# KiCad board panel2.kicad_pcb (continued)
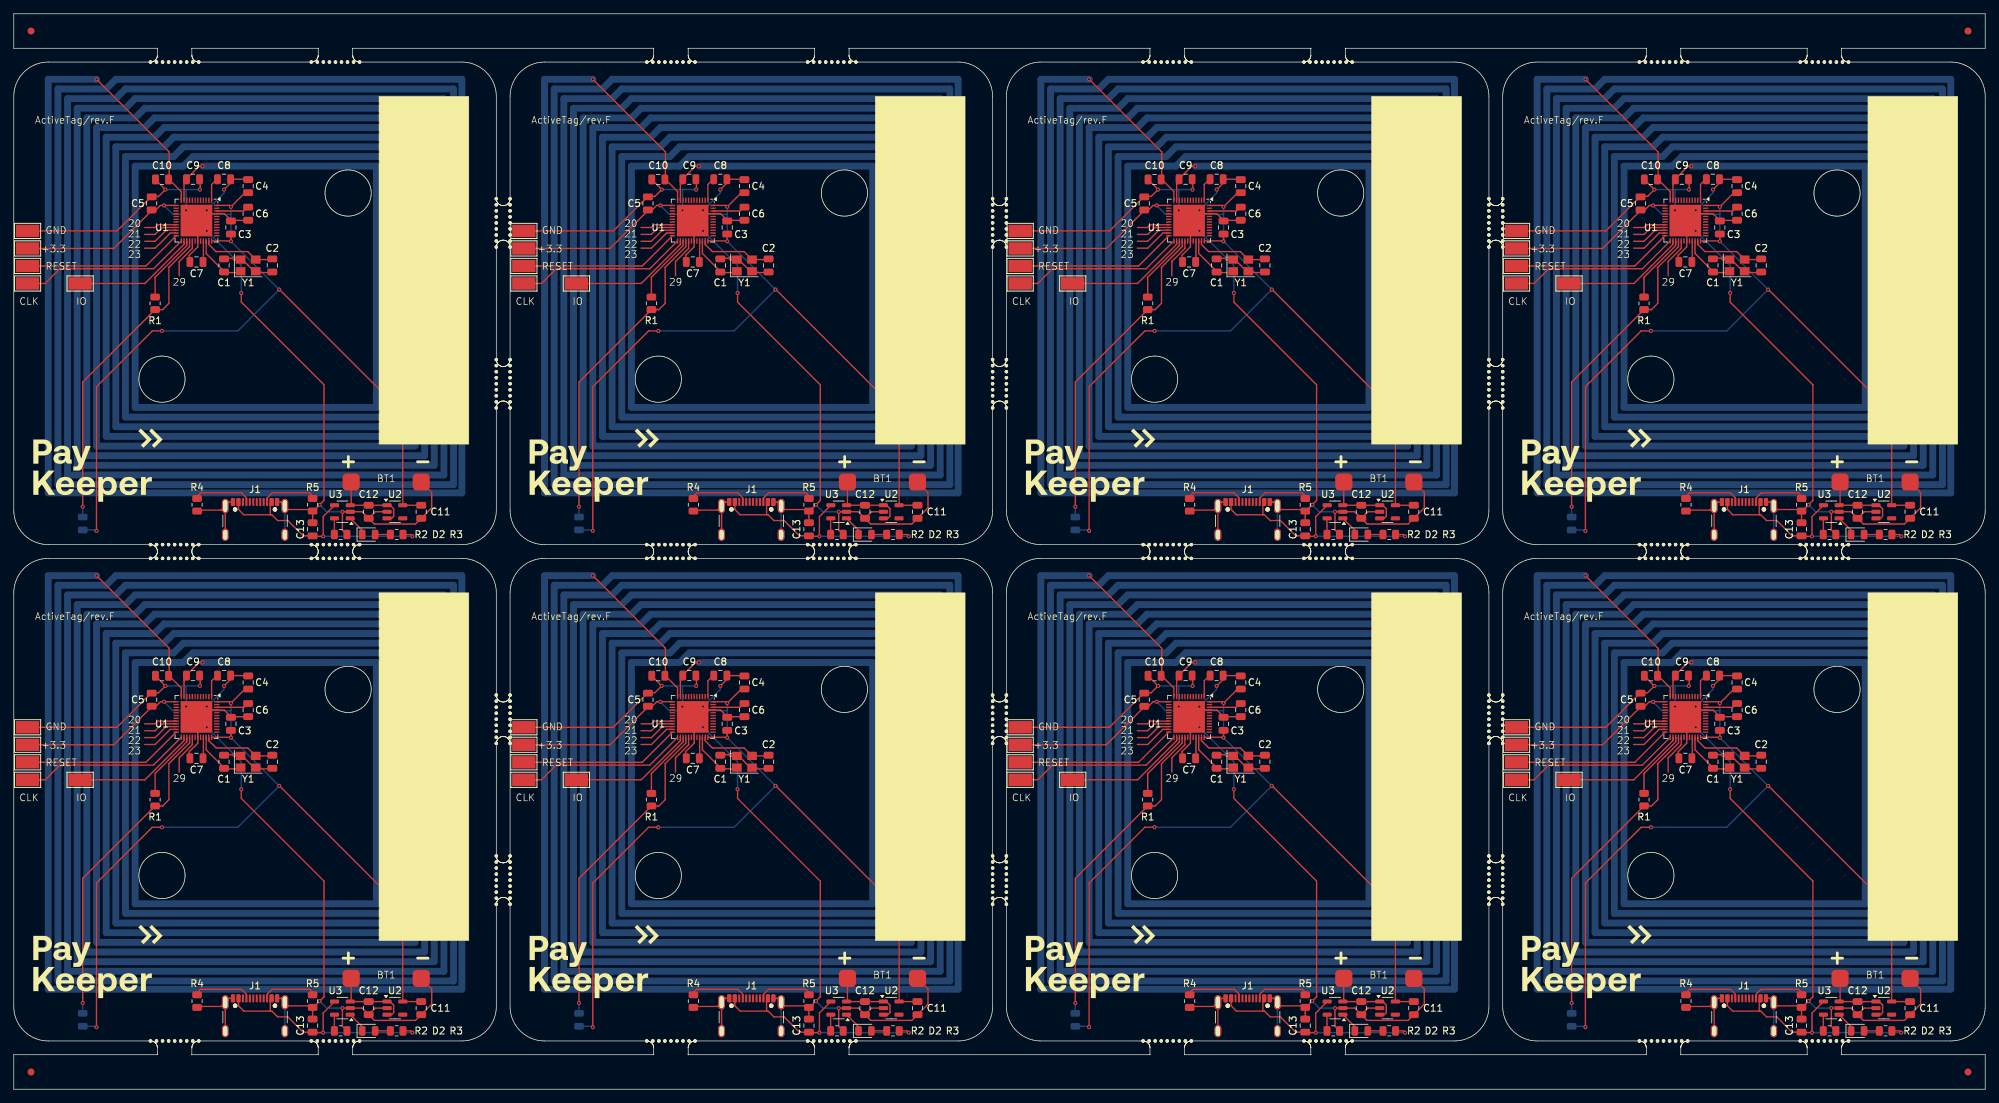
[diagram p0: board, top side]
## Nets (continued)
Board_3-unconnected-(U1-P0.08-Pad10): U1#2.10
Board_3-unconnected-(U1-P0.11-Pad14): U1#2.14
Board_3-unconnected-(U1-P0.12-Pad15): U1#2.15
Board_3-unconnected-(U1-P0.13-Pad16): U1#2.16
Board_3-unconnected-(U1-P0.14-Pad17): U1#2.17
Board_3-unconnected-(U1-P0.15-Pad18): U1#2.18
Board_3-unconnected-(U1-P0.16-Pad19): U1#2.19
Board_3-unconnected-(U1-P0.17-Pad20): U1#2.20
Board_3-unconnected-(U1-P0.18/SWO-Pad21): U1#2.21
Board_3-unconnected-(U1-P0.19-Pad22): U1#2.22
Board_3-unconnected-(U1-P0.20-Pad23): U1#2.23
Board_3-unconnected-(U1-P0.24-Pad29): U1#2.29
Board_3-unconnected-(U1-P0.25-Pad37): U1#2.37
Board_3-unconnected-(U1-P0.26-Pad38): U1#2.38
Board_3-unconnected-(U1-P0.27-Pad39): U1#2.39
Board_3-unconnected-(U1-P0.28/AIN4-Pad40): U1#2.40
Board_3-unconnected-(U1-P0.29/AIN5-Pad41): U1#2.41
Board_3-unconnected-(U1-P0.30/AIN6-Pad42): U1#2.42
Board_3-unconnected-(U1-P0.31/AIN7-Pad43): U1#2.43
Board_3-unconnected-(U2-NC-Pad4): U2#2.4
Board_4-+3.3V: C3#8.1 C4#8.1 C5#7.1 C11#4.1 D1#6.2 TP5#3.1 U1#3.13 U1#3.36 U1#3.48 U2#8.5
Board_4-GND: BT1#6.2 C1#6.2 C2#2.2 C3#8.2 C4#8.2 C5#7.2 C6#3.2 C7#8.2 C8.2 C9#5.1 C10#6.2 C11#4.2 C12#7.2 C13.2 J1#8.A1 J1#8.A12 J1#8.B1 J1#8.B12 J1#8.S1 R2#4.2 R4#5.1 R5#5.2 TP4#8.1 U1#3.31 U1#3.45 U1#3.49 U2#8.2 U3#7.2 Y1#4.2 Y1#4.4
Board_4-Net-(BT1-+): BT1#6.1 C12#7.1 U2#8.1 U2#8.3 U3#7.3
Board_4-Net-(D1-K): D1#6.1 R1#4.2 U1#3.28
Board_4-Net-(D2-A): D2#7.2 R3#6.2
Board_4-Net-(D2-K): D2#7.1 U3#7.1
Board_4-Net-(J1-CC1): J1#8.A5 R4#5.2
Board_4-Net-(J1-CC2): J1#8.B5 R5#5.1
Board_4-Net-(U1-DEC1): C8.1 U1#3.1
Board_4-Net-(U1-DEC3): C7#8.1 U1#3.33
Board_4-Net-(U1-DEC4): C6#3.1 U1#3.46
Board_4-Net-(U1-NFC1/P0.09): C9#5.2 C10#6.1 U1#3.11 U1#3.12
Board_4-Net-(U1-P0.21/~{RESET}): TP3#4.1 U1#3.24
Board_4-Net-(U1-P0.22): R1#4.1 U1#3.27
Board_4-Net-(U1-SWDCLK): TP2#3.1 U1#3.25
Board_4-Net-(U1-SWDIO): TP1#6.1 U1#3.26
Board_4-Net-(U1-XC1): C1#6.1 U1#3.34 Y1#4.1
Board_4-Net-(U1-XC2): C2#2.1 U1#3.35 Y1#4.3
Board_4-Net-(U3-PROG): R2#4.1 U3#7.5
Board_4-Net-(U3-V_{CC}): C13.1 J1#8.A4 J1#8.A9 J1#8.B4 J1#8.B9 R3#6.1 U3#7.4
Board_4-unconnected-(J1-D+-PadA6): J1#8.A6
Board_4-unconnected-(J1-D+-PadB6): J1#8.B6
Board_4-unconnected-(J1-D--PadA7): J1#8.A7
Board_4-unconnected-(J1-D--PadB7): J1#8.B7
Board_4-unconnected-(J1-SBU1-PadA8): J1#8.A8
Board_4-unconnected-(J1-SBU2-PadB8): J1#8.B8
Board_4-unconnected-(U1-ANT-Pad30): U1#3.30
Board_4-unconnected-(U1-DCC-Pad47): U1#3.47
Board_4-unconnected-(U1-DEC2-Pad32): U1#3.32
Board_4-unconnected-(U1-NC-Pad44): U1#3.44
Board_4-unconnected-(U1-P0.00/XL1-Pad2): U1#3.2
Board_4-unconnected-(U1-P0.01/XL2-Pad3): U1#3.3
Board_4-unconnected-(U1-P0.02/AIN0-Pad4): U1#3.4
Board_4-unconnected-(U1-P0.03/AIN1-Pad5): U1#3.5
Board_4-unconnected-(U1-P0.04/AIN2-Pad6): U1#3.6
Board_4-unconnected-(U1-P0.05/AIN3-Pad7): U1#3.7
Board_4-unconnected-(U1-P0.06-Pad8): U1#3.8
Board_4-unconnected-(U1-P0.07-Pad9): U1#3.9
Board_4-unconnected-(U1-P0.08-Pad10): U1#3.10
Board_4-unconnected-(U1-P0.11-Pad14): U1#3.14
Board_4-unconnected-(U1-P0.12-Pad15): U1#3.15
Board_4-unconnected-(U1-P0.13-Pad16): U1#3.16
Board_4-unconnected-(U1-P0.14-Pad17): U1#3.17
Board_4-unconnected-(U1-P0.15-Pad18): U1#3.18
Board_4-unconnected-(U1-P0.16-Pad19): U1#3.19
Board_4-unconnected-(U1-P0.17-Pad20): U1#3.20
Board_4-unconnected-(U1-P0.18/SWO-Pad21): U1#3.21
Board_4-unconnected-(U1-P0.19-Pad22): U1#3.22
Board_4-unconnected-(U1-P0.20-Pad23): U1#3.23
Board_4-unconnected-(U1-P0.24-Pad29): U1#3.29
Board_4-unconnected-(U1-P0.25-Pad37): U1#3.37
Board_4-unconnected-(U1-P0.26-Pad38): U1#3.38
Board_4-unconnected-(U1-P0.27-Pad39): U1#3.39
Board_4-unconnected-(U1-P0.28/AIN4-Pad40): U1#3.40
Board_4-unconnected-(U1-P0.29/AIN5-Pad41): U1#3.41
Board_4-unconnected-(U1-P0.30/AIN6-Pad42): U1#3.42
Board_4-unconnected-(U1-P0.31/AIN7-Pad43): U1#3.43
Board_4-unconnected-(U2-NC-Pad4): U2#8.4
Board_5-+3.3V: C3#3.1 C4#3.1 C5#5.1 C11.1 D1#2.2 TP5#4.1 U1#5.13 U1#5.36 U1#5.48 U2#3.5
Board_5-GND: BT1#7.2 C1#5.2 C2#7.2 C3#3.2 C4#3.2 C5#5.2 C6.2 C7#7.2 C8#3.2 C9#2.1 C10#4.2 C11.2 C12#3.2 C13#2.2 J1#5.A1 J1#5.A12 J1#5.B1 J1#5.B12 J1#5.S1 R2#7.2 R4#8.1 R5#3.2 TP4#2.1 U1#5.31 U1#5.45 U1#5.49 U2#3.2 U3#4.2 Y1#8.2 Y1#8.4
Board_5-Net-(BT1-+): BT1#7.1 C12#3.1 U2#3.1 U2#3.3 U3#4.3
Board_5-Net-(D1-K): D1#2.1 R1.2 U1#5.28
Board_5-Net-(D2-A): D2#3.2 R3#5.2
Board_5-Net-(D2-K): D2#3.1 U3#4.1
Board_5-Net-(J1-CC1): J1#5.A5 R4#8.2
Board_5-Net-(J1-CC2): J1#5.B5 R5#3.1
Board_5-Net-(U1-DEC1): C8#3.1 U1#5.1
Board_5-Net-(U1-DEC3): C7#7.1 U1#5.33
Board_5-Net-(U1-DEC4): C6.1 U1#5.46
Board_5-Net-(U1-NFC1/P0.09): C9#2.2 C10#4.1 U1#5.11 U1#5.12
Board_5-Net-(U1-P0.21/~{RESET}): TP3.1 U1#5.24
Board_5-Net-(U1-P0.22): R1.1 U1#5.27
Board_5-Net-(U1-SWDCLK): TP2#5.1 U1#5.25
Board_5-Net-(U1-SWDIO): TP1#2.1 U1#5.26
Board_5-Net-(U1-XC1): C1#5.1 U1#5.34 Y1#8.1
Board_5-Net-(U1-XC2): C2#7.1 U1#5.35 Y1#8.3
Board_5-Net-(U3-PROG): R2#7.1 U3#4.5
Board_5-Net-(U3-V_{CC}): C13#2.1 J1#5.A4 J1#5.A9 J1#5.B4 J1#5.B9 R3#5.1 U3#4.4
Board_5-unconnected-(J1-D+-PadA6): J1#5.A6
Board_5-unconnected-(J1-D+-PadB6): J1#5.B6
Board_5-unconnected-(J1-D--PadA7): J1#5.A7
Board_5-unconnected-(J1-D--PadB7): J1#5.B7
Board_5-unconnected-(J1-SBU1-PadA8): J1#5.A8
Board_5-unconnected-(J1-SBU2-PadB8): J1#5.B8
Board_5-unconnected-(U1-ANT-Pad30): U1#5.30
Board_5-unconnected-(U1-DCC-Pad47): U1#5.47
Board_5-unconnected-(U1-DEC2-Pad32): U1#5.32
Board_5-unconnected-(U1-NC-Pad44): U1#5.44
Board_5-unconnected-(U1-P0.00/XL1-Pad2): U1#5.2
Board_5-unconnected-(U1-P0.01/XL2-Pad3): U1#5.3
Board_5-unconnected-(U1-P0.02/AIN0-Pad4): U1#5.4
Board_5-unconnected-(U1-P0.03/AIN1-Pad5): U1#5.5
Board_5-unconnected-(U1-P0.04/AIN2-Pad6): U1#5.6
Board_5-unconnected-(U1-P0.05/AIN3-Pad7): U1#5.7
Board_5-unconnected-(U1-P0.06-Pad8): U1#5.8
Board_5-unconnected-(U1-P0.07-Pad9): U1#5.9
Board_5-unconnected-(U1-P0.08-Pad10): U1#5.10
Board_5-unconnected-(U1-P0.11-Pad14): U1#5.14
Board_5-unconnected-(U1-P0.12-Pad15): U1#5.15
Board_5-unconnected-(U1-P0.13-Pad16): U1#5.16
Board_5-unconnected-(U1-P0.14-Pad17): U1#5.17
Board_5-unconnected-(U1-P0.15-Pad18): U1#5.18
Board_5-unconnected-(U1-P0.16-Pad19): U1#5.19
Board_5-unconnected-(U1-P0.17-Pad20): U1#5.20
Board_5-unconnected-(U1-P0.18/SWO-Pad21): U1#5.21
Board_5-unconnected-(U1-P0.19-Pad22): U1#5.22
Board_5-unconnected-(U1-P0.20-Pad23): U1#5.23
Board_5-unconnected-(U1-P0.24-Pad29): U1#5.29
Board_5-unconnected-(U1-P0.25-Pad37): U1#5.37
Board_5-unconnected-(U1-P0.26-Pad38): U1#5.38
Board_5-unconnected-(U1-P0.27-Pad39): U1#5.39
Board_5-unconnected-(U1-P0.28/AIN4-Pad40): U1#5.40
Board_5-unconnected-(U1-P0.29/AIN5-Pad41): U1#5.41
Board_5-unconnected-(U1-P0.30/AIN6-Pad42): U1#5.42
Board_5-unconnected-(U1-P0.31/AIN7-Pad43): U1#5.43
Board_5-unconnected-(U2-NC-Pad4): U2#3.4
Board_6-+3.3V: C3#2.1 C4#7.1 C5#2.1 C11#7.1 D1#7.2 TP5#8.1 U1#8.13 U1#8.36 U1#8.48 U2#5.5
Board_6-GND: BT1#5.2 C1#4.2 C2#5.2 C3#2.2 C4#7.2 C5#2.2 C6#2.2 C7.2 C8#5.2 C9#6.1 C10#7.2 C11#7.2 C12.2 C13#4.2 J1#6.A1 J1#6.A12 J1#6.B1 J1#6.B12 J1#6.S1 R2.2 R4#7.1 R5#6.2 TP4#7.1 U1#8.31 U1#8.45 U1#8.49 U2#5.2 U3#5.2 Y1#6.2 Y1#6.4
Board_6-Net-(BT1-+): BT1#5.1 C12.1 U2#5.1 U2#5.3 U3#5.3
Board_6-Net-(D1-K): D1#7.1 R1#3.2 U1#8.28
Board_6-Net-(D2-A): D2#5.2 R3.2
Board_6-Net-(D2-K): D2#5.1 U3#5.1
Board_6-Net-(J1-CC1): J1#6.A5 R4#7.2
Board_6-Net-(J1-CC2): J1#6.B5 R5#6.1
Board_6-Net-(U1-DEC1): C8#5.1 U1#8.1
Board_6-Net-(U1-DEC3): C7.1 U1#8.33
Board_6-Net-(U1-DEC4): C6#2.1 U1#8.46
Board_6-Net-(U1-NFC1/P0.09): C9#6.2 C10#7.1 U1#8.11 U1#8.12
Board_6-Net-(U1-P0.21/~{RESET}): TP3#8.1 U1#8.24
Board_6-Net-(U1-P0.22): R1#3.1 U1#8.27
Board_6-Net-(U1-SWDCLK): TP2.1 U1#8.25
Board_6-Net-(U1-SWDIO): TP1#8.1 U1#8.26
Board_6-Net-(U1-XC1): C1#4.1 U1#8.34 Y1#6.1
Board_6-Net-(U1-XC2): C2#5.1 U1#8.35 Y1#6.3
Board_6-Net-(U3-PROG): R2.1 U3#5.5
Board_6-Net-(U3-V_{CC}): C13#4.1 J1#6.A4 J1#6.A9 J1#6.B4 J1#6.B9 R3.1 U3#5.4
Board_6-unconnected-(J1-D+-PadA6): J1#6.A6
Board_6-unconnected-(J1-D+-PadB6): J1#6.B6
Board_6-unconnected-(J1-D--PadA7): J1#6.A7
Board_6-unconnected-(J1-D--PadB7): J1#6.B7
Board_6-unconnected-(J1-SBU1-PadA8): J1#6.A8
Board_6-unconnected-(J1-SBU2-PadB8): J1#6.B8
Board_6-unconnected-(U1-ANT-Pad30): U1#8.30
Board_6-unconnected-(U1-DCC-Pad47): U1#8.47
Board_6-unconnected-(U1-DEC2-Pad32): U1#8.32
Board_6-unconnected-(U1-NC-Pad44): U1#8.44
Board_6-unconnected-(U1-P0.00/XL1-Pad2): U1#8.2
Board_6-unconnected-(U1-P0.01/XL2-Pad3): U1#8.3
Board_6-unconnected-(U1-P0.02/AIN0-Pad4): U1#8.4
Board_6-unconnected-(U1-P0.03/AIN1-Pad5): U1#8.5
Board_6-unconnected-(U1-P0.04/AIN2-Pad6): U1#8.6
Board_6-unconnected-(U1-P0.05/AIN3-Pad7): U1#8.7
Board_6-unconnected-(U1-P0.06-Pad8): U1#8.8
Board_6-unconnected-(U1-P0.07-Pad9): U1#8.9
Board_6-unconnected-(U1-P0.08-Pad10): U1#8.10
Board_6-unconnected-(U1-P0.11-Pad14): U1#8.14
Board_6-unconnected-(U1-P0.12-Pad15): U1#8.15
Board_6-unconnected-(U1-P0.13-Pad16): U1#8.16
Board_6-unconnected-(U1-P0.14-Pad17): U1#8.17
Board_6-unconnected-(U1-P0.15-Pad18): U1#8.18
Board_6-unconnected-(U1-P0.16-Pad19): U1#8.19
Board_6-unconnected-(U1-P0.17-Pad20): U1#8.20
Board_6-unconnected-(U1-P0.18/SWO-Pad21): U1#8.21
Board_6-unconnected-(U1-P0.19-Pad22): U1#8.22
Board_6-unconnected-(U1-P0.20-Pad23): U1#8.23
Board_6-unconnected-(U1-P0.24-Pad29): U1#8.29
Board_6-unconnected-(U1-P0.25-Pad37): U1#8.37
Board_6-unconnected-(U1-P0.26-Pad38): U1#8.38
Board_6-unconnected-(U1-P0.27-Pad39): U1#8.39
Board_6-unconnected-(U1-P0.28/AIN4-Pad40): U1#8.40
Board_6-unconnected-(U1-P0.29/AIN5-Pad41): U1#8.41
Board_6-unconnected-(U1-P0.30/AIN6-Pad42): U1#8.42
Board_6-unconnected-(U1-P0.31/AIN7-Pad43): U1#8.43
Board_6-unconnected-(U2-NC-Pad4): U2#5.4
Board_7-+3.3V: C3#5.1 C4#2.1 C5#3.1 C11#8.1 D1#8.2 TP5#7.1 U1.13 U1.36 U1.48 U2#6.5
Board_7-GND: BT1#3.2 C1#2.2 C2#3.2 C3#5.2 C4#2.2 C5#3.2 C6#6.2 C7#3.2 C8#8.2 C9#8.1 C10#8.2 C11#8.2 C12#6.2 C13#8.2 J1.A1 J1.A12 J1.B1 J1.B12 J1.S1 R2#6.2 R4#2.1 R5#7.2 TP4#5.1 U1.31 U1.45 U1.49 U2#6.2 U3#3.2 Y1#3.2 Y1#3.4
Board_7-Net-(BT1-+): BT1#3.1 C12#6.1 U2#6.1 U2#6.3 U3#3.3
Board_7-Net-(D1-K): D1#8.1 R1#7.2 U1.28
Board_7-Net-(D2-A): D2#8.2 R3#3.2
Board_7-Net-(D2-K): D2#8.1 U3#3.1
Board_7-Net-(J1-CC1): J1.A5 R4#2.2
Board_7-Net-(J1-CC2): J1.B5 R5#7.1
Board_7-Net-(U1-DEC1): C8#8.1 U1.1
Board_7-Net-(U1-DEC3): C7#3.1 U1.33
Board_7-Net-(U1-DEC4): C6#6.1 U1.46
Board_7-Net-(U1-NFC1/P0.09): C9#8.2 C10#8.1 U1.11 U1.12
Board_7-Net-(U1-P0.21/~{RESET}): TP3#7.1 U1.24
Board_7-Net-(U1-P0.22): R1#7.1 U1.27
Board_7-Net-(U1-SWDCLK): TP2#8.1 U1.25
Board_7-Net-(U1-SWDIO): TP1#5.1 U1.26
Board_7-Net-(U1-XC1): C1#2.1 U1.34 Y1#3.1
Board_7-Net-(U1-XC2): C2#3.1 U1.35 Y1#3.3
Board_7-Net-(U3-PROG): R2#6.1 U3#3.5
Board_7-Net-(U3-V_{CC}): C13#8.1 J1.A4 J1.A9 J1.B4 J1.B9 R3#3.1 U3#3.4
Board_7-unconnected-(J1-D+-PadA6): J1.A6
Board_7-unconnected-(J1-D+-PadB6): J1.B6
Board_7-unconnected-(J1-D--PadA7): J1.A7
Board_7-unconnected-(J1-D--PadB7): J1.B7
Board_7-unconnected-(J1-SBU1-PadA8): J1.A8
Board_7-unconnected-(J1-SBU2-PadB8): J1.B8
Board_7-unconnected-(U1-ANT-Pad30): U1.30
Board_7-unconnected-(U1-DCC-Pad47): U1.47
Board_7-unconnected-(U1-DEC2-Pad32): U1.32
Board_7-unconnected-(U1-NC-Pad44): U1.44
Board_7-unconnected-(U1-P0.00/XL1-Pad2): U1.2
Board_7-unconnected-(U1-P0.01/XL2-Pad3): U1.3
Board_7-unconnected-(U1-P0.02/AIN0-Pad4): U1.4
Board_7-unconnected-(U1-P0.03/AIN1-Pad5): U1.5
Board_7-unconnected-(U1-P0.04/AIN2-Pad6): U1.6
Board_7-unconnected-(U1-P0.05/AIN3-Pad7): U1.7
Board_7-unconnected-(U1-P0.06-Pad8): U1.8
Board_7-unconnected-(U1-P0.07-Pad9): U1.9
Board_7-unconnected-(U1-P0.08-Pad10): U1.10
Board_7-unconnected-(U1-P0.11-Pad14): U1.14
Board_7-unconnected-(U1-P0.12-Pad15): U1.15
Board_7-unconnected-(U1-P0.13-Pad16): U1.16
Board_7-unconnected-(U1-P0.14-Pad17): U1.17
Board_7-unconnected-(U1-P0.15-Pad18): U1.18
Board_7-unconnected-(U1-P0.16-Pad19): U1.19
Board_7-unconnected-(U1-P0.17-Pad20): U1.20
Board_7-unconnected-(U1-P0.18/SWO-Pad21): U1.21
Board_7-unconnected-(U1-P0.19-Pad22): U1.22
Board_7-unconnected-(U1-P0.20-Pad23): U1.23
Board_7-unconnected-(U1-P0.24-Pad29): U1.29
Board_7-unconnected-(U1-P0.25-Pad37): U1.37
Board_7-unconnected-(U1-P0.26-Pad38): U1.38
Board_7-unconnected-(U1-P0.27-Pad39): U1.39
Board_7-unconnected-(U1-P0.28/AIN4-Pad40): U1.40
Board_7-unconnected-(U1-P0.29/AIN5-Pad41): U1.41
Board_7-unconnected-(U1-P0.30/AIN6-Pad42): U1.42
Board_7-unconnected-(U1-P0.31/AIN7-Pad43): U1.43
Board_7-unconnected-(U2-NC-Pad4): U2#6.4

## Via types
v1: diameter 0.6, hole 0.3, Top to Bottom, 168 vias

## Routing (per net, layer and track width the routed paths; a pad name or vN(x,y) marks a point on that pad's centre or on a via; arc(x,y) is an arc through that point)
Board_0-+3.3V: length 154.8
  Top w0.2: U1#7.13 v1(21.8,128.2) 21.27,128.2 20.5,127.43 ; 34,129.96 33.46,129.96 v1(31.5,128) 31.3,128.2 U1#7.48 ; v1(31.5,123) 31.5,123.96 ; v1(31.5,123) 31.45,123.05 U1#7.36 ; v1(31.5,123) 31.55,123.05 ; 20,127.46 14.5,121.96 TP5#5.1 ; C11#5.1 U2#4.5 56.43,98.12 38.55,116 v1(38.5,116) ; v1(12,81) 12,101.91 20.09,110 v1(21.5,110)
  Bottom w0.2: v1(12,81) 11.88,81.13 D1#3.2 ; v1(31.5,128) 31.5,127 ; 31.5,127 31.4,126.9 23.1,126.9 v1(21.8,128.2) ; 31.5,127 v1(31.5,123) v1(38.5,116) 32.5,110 v1(21.5,110)
Board_0-GND: length 164.2
  Top w0.2: 37.5,118.46 35.54,118.46 35.35,118.65 Y1.2 34.85,118.65 33.15,120.35 Y1.4 32.71,120.54 30.5,120.54 ; C12#2.2 50.53,83.76 U3#8.2 v1(47.67,83.76) 47.67,81.12 R2#2.2 ; C12#2.2 52.31,81.99 58.27,81.99 C11#5.2 60.63,84.34 60.63,86.56 BT1.2 ; C12#2.2 52.43,83.76 U2#4.2 ; J1#4.A12 38.74,85.18 J1#4.S1 39.84,84.09 43.68,84.09 45,85.41 45,102.18 33,114.18 v1(33,115.51) ; v1(27,130.5) 27.04,130.54 27.04,131.97 ; J1#4.S1 30.08,84 26.5,84 ; J1#4.S1 J1#4.S1 ; J1#4.S1 31.26,85.18 J1#4.A1 ; 20,129.54 14.96,124.5 TP4#3.1 ; 20.5,129.51 21.01,129.51 v1(22,130.5) 20.53,131.97 20.46,131.97 ; 25.54,119.93 25.46,120 25.46,120.96 26.7,122.2 U1#7.31 26.7,125.8 U1#7.49 27.5,127 U1#7.45 30.54,127 31.5,126.04 33.92,126.04 34,125.96 ; R5.2 C13#3.2 ; v1(30.5,130.5) 31.54,131.54 31.54,132 31.5,132 33.96,132 34,132.04
  Bottom w0.2: v1(33,115.51) 33,119.5 v1(32,120.5) v1(28,124.5) ; v1(30.5,130.5) 30.5,130 v1(28,127.5) ; v1(27,130.5) v1(22,130.5) ; v1(47.67,83.76) 45.39,83.76 v1(44.37,84.78) ; v1(25,127.5) 25,130.5 ; J1#4.S1 J1#4.S1
Board_0-Net-(BT1-+): length 12.1
  Top w0.2: BT1.1 48.94,84.85 U3#8.3 C12#2.1 U2#4.1 54.6,84.71 55.12,84.19 55.12,83.11 54.82,82.81 U2#4.3
Board_0-Net-(D1-K): length 47.1
  Top w0.2: U1#7.28 25.5,122.22 22.5,119.22 22.5,114 21.59,113.09 R1#2.2 10,102.59 v1(10,84.5)
  Bottom w0.2: v1(10,84.5) D1#3.1
Board_0-Net-(D2-A): length 2.2
  Top w0.2: D2#6.2 R3#8.2
Board_0-Net-(D2-K): length 3.1
  Top w0.2: U3#8.1 50.54,81.08 D2#6.1
Board_0-Net-(J1-CC1): length 9
  Top w0.2: J1#4.A5 33.75,85.79 33.04,86.5 27.09,86.5 26.5,85.91 ; 33.75,85.29 33.75,84.68
Board_0-Net-(J1-CC2): length 8.5
  Top w0.2: 43.5,85.91 42.91,86.5 37.5,86.5 36.75,85.76 J1#4.B5 ; 36.75,85.26 36.75,84.68
Board_0-Net-(U1-DEC1): length 3.4
  Top w0.2: U1#7.1 28.7,131.24 29.46,132
Board_0-Net-(U1-DEC3): length 3.1
  Top w0.2: U1#7.33 27.5,120.04 27.54,120
Board_0-Net-(U1-DEC4): length 4.8
  Top w0.2: U1#7.46 33.36,127.4 34,128.04
Board_0-Net-(U1-NFC1/P0.09): length 1922.3
  Top w0.2: 27.4,134.1 v1(27.4,133.9) 26.89,133.9 24.96,131.97 24.96,131.54 24.7,131.28 U1#7.11 ; v1(12,146.5) 22.54,135.96 22.54,131.97 24.3,130.21 U1#7.12
  Bottom w1: 11.9,146.5 v1(12,146.5) 5,146.5 5,86.5 65,86.5 65,146.5 14.8,146.5 13.4,145.1 6.4,145.1 6.4,87.7 63.8,87.7 63.8,145.1 16.2,145.1 14.8,143.7 7.8,143.7 7.8,89.1 62.4,89.1 62.4,143.7 17.6,143.7 16.2,142.3 9.2,142.3 9.2,90.5 61,90.5 61,142.3 19,142.3 17.6,140.9 10.6,140.9 10.6,91.9 59.6,91.9 59.6,140.9 20.4,140.9 19,139.5 12,139.5 12,93.3 58.2,93.3 58.2,139.5 21.8,139.5 20.4,138.1 13.4,138.1 13.4,94.7 56.8,94.7 56.8,138.1 23.2,138.1 21.8,136.7 14.8,136.7 14.8,96.1 55.4,96.1 55.4,136.7 24.6,136.7 23.2,135.3 16.2,135.3 16.2,97.5 54,97.5 54,135.3 26,135.3 24.6,133.9 17.6,133.9 17.6,98.9 52.6,98.9 52.6,133.9 v1(27.4,133.9)
Board_0-Net-(U1-P0.21/~{RESET}): length 23.4
  Top w0.2: U1#7.24 19.17,119.42 TP3#5.1
Board_0-Net-(U1-P0.22): length 10
  Top w0.2: R1#2.1 20.5,117.79 25.1,122.39 U1#7.27
Board_0-Net-(U1-SWDCLK): length 24.9
  Top w0.2: U1#7.25 20.27,119.02 6.68,119.02 4.54,116.88 TP2#4.1
Board_0-Net-(U1-SWDIO): length 17.9
  Top w0.2: TP1#4.1 19.03,116.88 24.7,122.56 U1#7.26
Board_0-Net-(U1-XC1): length 8.1
  Top w0.2: U1#7.34 27.9,121.24 30.5,118.64 30.5,118.46 32.71,118.46 Y1.1
Board_0-Net-(U1-XC2): length 10.7
  Top w0.2: U1#7.35 28.3,122.56 29.35,121.5 33.95,121.5 Y1.3 37.31,120.35 37.5,120.54
Board_0-Net-(U3-PROG): length 2.4
  Top w0.2: U3#8.5 46.51,82.78 R2#2.1
Board_0-Net-(U3-V_{CC}): length 36
  Top w0.2: U3#8.4 44.88,83.06 v1(44.88,80.21) 43.42,80.21 C13#3.1 41.97,80.27 39.75,82.49 38.27,82.49 37.44,83.33 37.22,83.33 ; 37.22,83.33 33.38,83.33 32.6,84.11 32.6,84.68 ; 37.22,83.33 37.22,85 J1#4.A9 ; v1(57.83,80.21) 57.58,80.46 R3#8.1
  Bottom w0.2: v1(57.83,80.21) v1(44.88,80.21)
Board_0-unconnected-(U1-P0.17-Pad20): length 4.7
  Top w0.2: U1#7.20 20.9,125.4 20.5,125 19,125
Board_0-unconnected-(U1-P0.18/SWO-Pad21): length 5
  Top w0.2: U1#7.21 21.5,125 20.5,124 19,124
Board_0-unconnected-(U1-P0.19-Pad22): length 5.2
  Top w0.2: 19,123 20.5,123 22.1,124.6 U1#7.22
Board_0-unconnected-(U1-P0.20-Pad23): length 5.5
  Top w0.2: U1#7.23 22.7,124.2 20.5,122 19,122
Board_0-unconnected-(U1-P0.24-Pad29): length 5.8
  Top w0.2: U1#7.29 25.9,121.97 24,120.07 24,118
Board_1-+3.3V: length 154.8
  Top w0.2: 92.5,127.43 93.27,128.2 v1(93.8,128.2) U1#4.13 ; v1(110.5,116) 110.55,116 128.43,98.12 U2#7.5 C11#3.1 ; v1(103.5,123) 103.55,123.05 ; v1(103.5,123) 103.45,123.05 U1#4.36 ; v1(103.5,123) 103.5,123.96 ; v1(84,81) 84,101.91 92.09,110 v1(93.5,110) ; U1#4.48 103.3,128.2 v1(103.5,128) 105.46,129.96 106,129.96 ; TP5.1 86.5,121.96 92,127.46
  Bottom w0.2: v1(93.5,110) 104.5,110 v1(110.5,116) v1(103.5,123) 103.5,127 ; v1(103.5,128) 103.5,127 ; 103.5,127 103.4,126.9 95.1,126.9 v1(93.8,128.2) ; v1(84,81) 83.88,81.13 D1#4.2
Board_1-GND: length 164.2
  Top w0.2: C12#5.2 124.31,81.99 130.27,81.99 C11#3.2 132.63,84.34 132.63,86.56 BT1#8.2 ; C12#5.2 122.53,83.76 U3.2 v1(119.67,83.76) 119.67,81.12 R2#5.2 ; C12#5.2 124.43,83.76 U2#7.2 ; J1#2.A12 110.75,85.18 J1#2.S1 111.84,84.09 115.68,84.09 117,85.41 117,102.18 105,114.18 v1(105,115.51) ; J1#2.A1 103.25,85.18 J1#2.S1 ; v1(102.5,130.5) 103.54,131.54 103.54,132 103.5,132 105.96,132 106,132.04 ; 99.04,131.97 99.04,130.54 v1(99,130.5) ; 97.54,119.93 97.46,120 97.46,120.96 98.7,122.2 U1#4.31 98.7,125.8 U1#4.49 99.5,127 U1#4.45 102.54,127 103.5,126.04 105.92,126.04 106,125.96 ; 102.5,120.54 104.71,120.54 Y1#5.4 105.15,120.35 106.85,118.65 Y1#5.2 107.35,118.65 107.54,118.46 109.5,118.46 ; TP4#4.1 86.96,124.5 92,129.54 ; 92.46,131.97 92.53,131.97 v1(94,130.5) 93.01,129.51 92.5,129.51 ; J1#2.S1 J1#2.S1 ; J1#2.S1 102.08,84 98.5,84 ; R5#8.2 C13#5.2
  Bottom w0.2: v1(97,127.5) 97,130.5 ; J1#2.S1 J1#2.S1 ; v1(99,130.5) v1(94,130.5) ; v1(100,124.5) v1(104,120.5) 105,119.5 v1(105,115.51) ; v1(100,127.5) 102.5,130 v1(102.5,130.5) ; v1(119.67,83.76) 117.39,83.76 v1(116.37,84.78)
Board_1-Net-(BT1-+): length 12.1
  Top w0.2: BT1#8.1 120.94,84.85 U3.3 C12#5.1 U2#7.1 126.6,84.71 127.12,84.19 127.12,83.11 126.82,82.81 U2#7.3
Board_1-Net-(D1-K): length 47.1
  Top w0.2: U1#4.28 97.5,122.22 94.5,119.22 94.5,114 93.59,113.09 R1#6.2 82,102.59 v1(82,84.5)
  Bottom w0.2: v1(82,84.5) D1#4.1
Board_1-Net-(D2-A): length 2.2
  Top w0.2: D2.2 R3#2.2
Board_1-Net-(D2-K): length 3.1
  Top w0.2: U3.1 122.54,81.08 D2.1
Board_1-Net-(J1-CC1): length 9
  Top w0.2: J1#2.A5 105.75,85.79 105.04,86.5 99.09,86.5 98.5,85.91 ; 105.75,85.29 105.75,84.68
Board_1-Net-(J1-CC2): length 8.5
  Top w0.2: 115.5,85.91 114.91,86.5 109.5,86.5 108.75,85.76 J1#2.B5 ; 108.75,85.26 108.75,84.68
Board_1-Net-(U1-DEC1): length 3.4
  Top w0.2: 101.46,132 100.7,131.24 U1#4.1
Board_1-Net-(U1-DEC3): length 3.1
  Top w0.2: 99.54,120 99.5,120.04 U1#4.33
Board_1-Net-(U1-DEC4): length 4.8
  Top w0.2: 106,128.04 105.36,127.4 U1#4.46
Board_1-Net-(U1-NFC1/P0.09): length 1922.3
  Top w0.2: 99.4,134.1 v1(99.4,133.9) 98.89,133.9 96.96,131.97 96.96,131.54 96.7,131.28 U1#4.11 ; U1#4.12 96.3,130.21 94.54,131.97 94.54,135.96 v1(84,146.5)
  Bottom w1: v1(99.4,133.9) 124.6,133.9 124.6,98.9 89.6,98.9 89.6,133.9 96.6,133.9 98,135.3 126,135.3 126,97.5 88.2,97.5 88.2,135.3 95.2,135.3 96.6,136.7 127.4,136.7 127.4,96.1 86.8,96.1 86.8,136.7 93.8,136.7 95.2,138.1 128.8,138.1 128.8,94.7 85.4,94.7 85.4,138.1 92.4,138.1 93.8,139.5 130.2,139.5 130.2,93.3 84,93.3 84,139.5 91,139.5 92.4,140.9 131.6,140.9 131.6,91.9 82.6,91.9 82.6,140.9 89.6,140.9 91,142.3 133,142.3 133,90.5 81.2,90.5 81.2,142.3 88.2,142.3 89.6,143.7 134.4,143.7 134.4,89.1 79.8,89.1 79.8,143.7 86.8,143.7 88.2,145.1 135.8,145.1 135.8,87.7 78.4,87.7 78.4,145.1 85.4,145.1 86.8,146.5 137,146.5 137,86.5 77,86.5 77,146.5 v1(84,146.5) 83.9,146.5
Board_1-Net-(U1-P0.21/~{RESET}): length 23.4
  Top w0.2: TP3#2.1 91.17,119.42 U1#4.24
Board_1-Net-(U1-P0.22): length 10
  Top w0.2: R1#6.1 92.5,117.79 97.1,122.39 U1#4.27
Board_1-Net-(U1-SWDCLK): length 24.9
  Top w0.2: TP2#6.1 76.54,116.88 78.68,119.02 92.27,119.02 U1#4.25
Board_1-Net-(U1-SWDIO): length 17.9
  Top w0.2: TP1.1 91.03,116.88 96.7,122.56 U1#4.26
Board_1-Net-(U1-XC1): length 8.1
  Top w0.2: U1#4.34 99.9,121.24 102.5,118.64 102.5,118.46 104.71,118.46 Y1#5.1
Board_1-Net-(U1-XC2): length 10.7
  Top w0.2: 109.5,120.54 109.31,120.35 Y1#5.3 105.95,121.5 101.35,121.5 100.3,122.56 U1#4.35
Board_1-Net-(U3-PROG): length 2.4
  Top w0.2: R2#5.1 118.51,82.78 U3.5
Board_1-Net-(U3-V_{CC}): length 36
  Top w0.2: U3.4 116.88,83.06 v1(116.88,80.21) 115.42,80.21 C13#5.1 113.97,80.27 111.75,82.49 110.27,82.49 109.44,83.33 109.22,83.33 ; 109.22,83.33 105.38,83.33 104.6,84.11 104.6,84.68 ; 109.22,83.33 109.22,85 J1#2.A9 ; v1(129.83,80.21) 129.58,80.46 R3#2.1
  Bottom w0.2: v1(129.83,80.21) v1(116.88,80.21)
Board_1-unconnected-(U1-P0.17-Pad20): length 4.7
  Top w0.2: U1#4.20 92.9,125.4 92.5,125 91,125
Board_1-unconnected-(U1-P0.18/SWO-Pad21): length 5
  Top w0.2: U1#4.21 93.5,125 92.5,124 91,124
Board_1-unconnected-(U1-P0.19-Pad22): length 5.2
  Top w0.2: 91,123 92.5,123 94.1,124.6 U1#4.22
Board_1-unconnected-(U1-P0.20-Pad23): length 5.5
  Top w0.2: U1#4.23 94.7,124.2 92.5,122 91,122
Board_1-unconnected-(U1-P0.24-Pad29): length 5.8
  Top w0.2: 96,118 96,120.07 97.9,121.97 U1#4.29
Board_2-+3.3V: length 154.8
  Top w0.2: U1#6.48 175.3,128.2 v1(175.5,128) 177.46,129.96 178,129.96 ; U1#6.36 175.45,123.05 v1(175.5,123) ; v1(165.5,110) 164.09,110 156,101.91 v1(156,81) ; 164.5,127.43 165.27,128.2 v1(165.8,128.2) U1#6.13 ; v1(175.5,123) 175.55,123.05 ; v1(175.5,123) 175.5,123.96 ; TP5#6.1 158.5,121.96 164,127.46 ; C11#6.1 U2.5 200.43,98.12 182.55,116 v1(182.5,116)
  Bottom w0.2: v1(165.8,128.2) 167.1,126.9 175.4,126.9 175.5,127 ; D1.2 155.88,81.13 v1(156,81) ; v1(165.5,110) 176.5,110 v1(182.5,116) v1(175.5,123) 175.5,127 ; 175.5,127 v1(175.5,128)
Board_2-GND: length 164.2
  Top w0.2: J1#3.S1 J1#3.S1 ; J1#3.S1 174.07,84 170.5,84 ; J1#3.S1 175.25,85.18 J1#3.A1 ; v1(171,130.5) 171.04,130.54 171.04,131.97 ; BT1#2.2 204.63,86.56 204.63,84.34 C11#6.2 202.27,81.99 196.31,81.99 C12#8.2 ; U2.2 196.43,83.76 C12#8.2 ; TP4.1 158.96,124.5 164,129.54 ; 169.54,119.93 169.46,120 169.46,120.96 170.7,122.2 U1#6.31 170.7,125.8 U1#6.49 171.5,127 U1#6.45 174.54,127 175.5,126.04 177.93,126.04 178,125.96 ; R5#4.2 C13#6.2 ; 181.5,118.46 179.54,118.46 179.35,118.65 Y1#7.2 178.85,118.65 177.15,120.35 Y1#7.4 176.71,120.54 174.5,120.54 ; 164.46,131.97 164.53,131.97 v1(166,130.5) 165.01,129.51 164.5,129.51 ; 178,132.04 177.96,132 175.5,132 175.54,132 175.54,131.54 v1(174.5,130.5) ; v1(177,115.51) 177,114.18 189,102.18 189,85.41 187.68,84.09 183.84,84.09 J1#3.S1 182.75,85.18 J1#3.A12 ; R2#3.2 191.67,81.12 v1(191.67,83.76) U3#6.2 194.53,83.76 C12#8.2
  Bottom w0.2: v1(172,127.5) 174.5,130 v1(174.5,130.5) ; J1#3.S1 J1#3.S1 ; v1(166,130.5) v1(171,130.5) ; v1(177,115.51) 177,119.5 v1(176,120.5) v1(172,124.5) ; v1(188.37,84.78) 189.39,83.76 v1(191.67,83.76) ; v1(169,127.5) 169,130.5
Board_2-Net-(BT1-+): length 12.1
  Top w0.2: BT1#2.1 192.94,84.85 U3#6.3 C12#8.1 U2.1 198.6,84.71 199.12,84.19 199.12,83.11 198.82,82.81 U2.3
Board_2-Net-(D1-K): length 47.1
  Top w0.2: v1(154,84.5) 154,102.59 R1#8.2 165.59,113.09 166.5,114 166.5,119.22 169.5,122.22 U1#6.28
  Bottom w0.2: v1(154,84.5) D1.1
Board_2-Net-(D2-A): length 2.2
  Top w0.2: D2#4.2 R3#7.2
Board_2-Net-(D2-K): length 3.1
  Top w0.2: U3#6.1 194.54,81.08 D2#4.1
Board_2-Net-(J1-CC1): length 9
  Top w0.2: 177.75,85.29 177.75,84.68 ; J1#3.A5 177.75,85.79 177.04,86.5 171.09,86.5 170.5,85.91
Board_2-Net-(J1-CC2): length 8.5
  Top w0.2: 180.75,85.26 180.75,84.68 ; 187.5,85.91 186.91,86.5 181.5,86.5 180.75,85.76 J1#3.B5
Board_2-Net-(U1-DEC1): length 3.4
  Top w0.2: 173.46,132 172.7,131.24 U1#6.1
Board_2-Net-(U1-DEC3): length 3.1
  Top w0.2: U1#6.33 171.5,120.04 171.54,120
Board_2-Net-(U1-DEC4): length 4.8
  Top w0.2: 178,128.04 177.36,127.4 U1#6.46
Board_2-Net-(U1-NFC1/P0.09): length 1922.3
  Top w0.2: v1(156,146.5) 166.54,135.96 166.54,131.97 168.3,130.21 U1#6.12 ; U1#6.11 168.7,131.28 168.96,131.54 168.96,131.97 170.89,133.9 v1(171.4,133.9) 171.4,134.1